# Altium PCB WS2812_MATRIX.PcbDoc (part 1 of 4)
Units mil, origin at the board's own origin, x right, y up, seen from the top; angles counter-clockwise.
Board outline 6515.75 x 1791.34 mil, 2 copper layers (Top Layer, Bottom Layer); 516 components, 260 nets, 1546 pads, 523 vias.
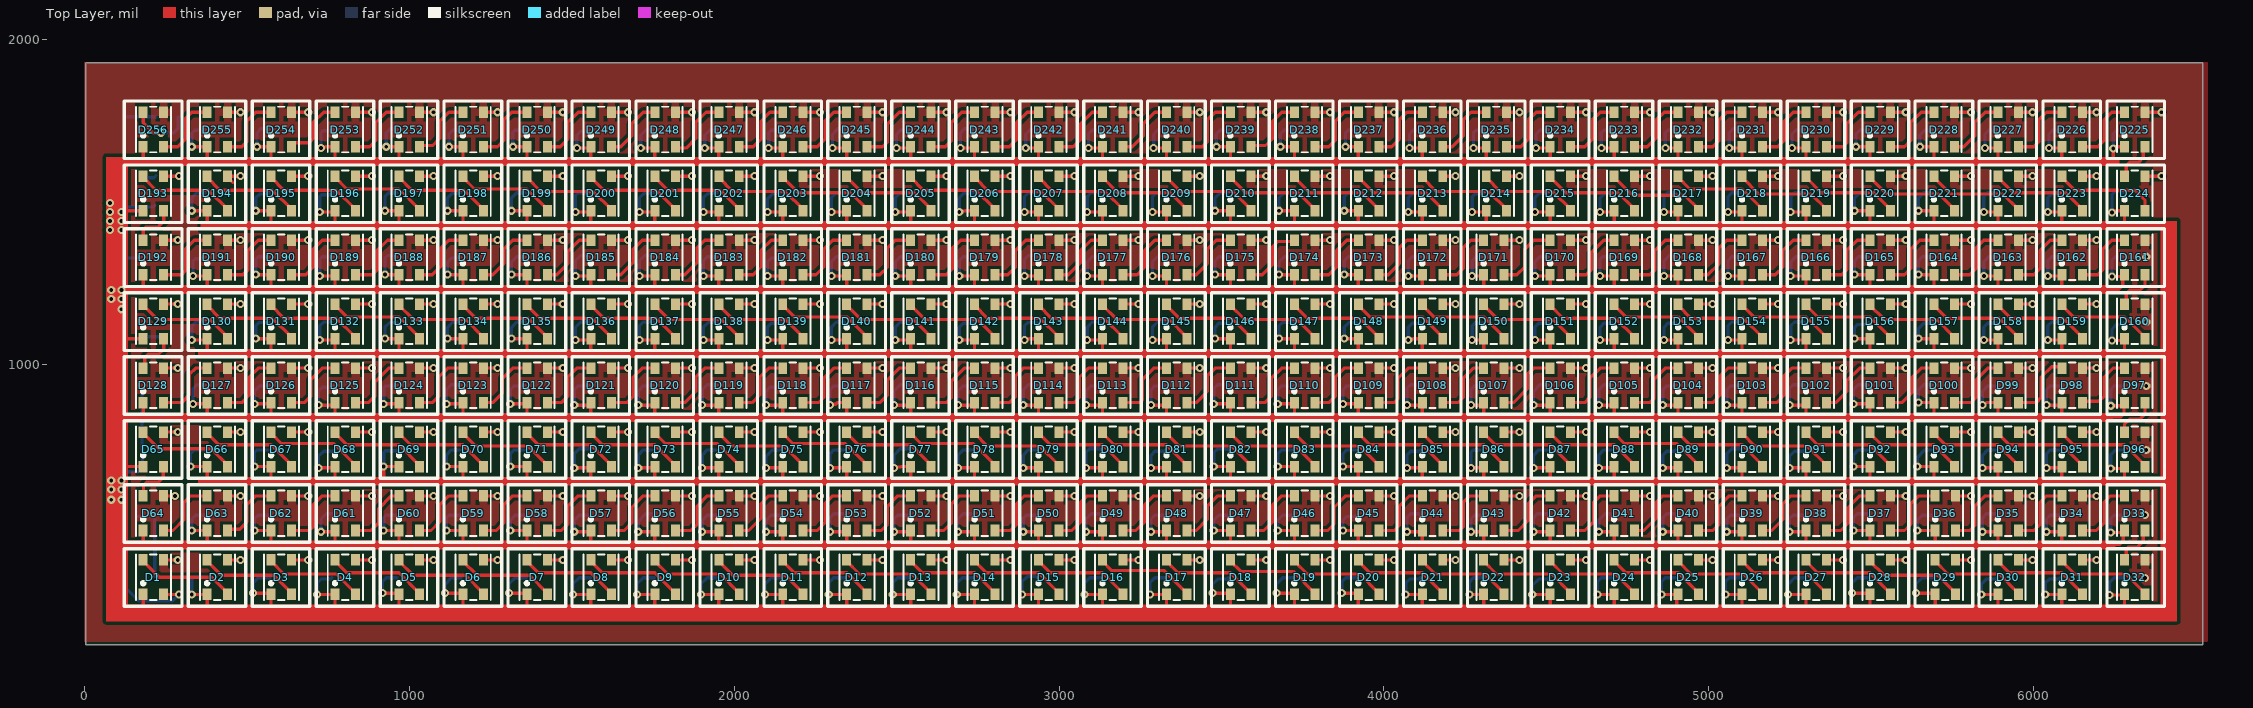
[diagram p0: Top Layer view]
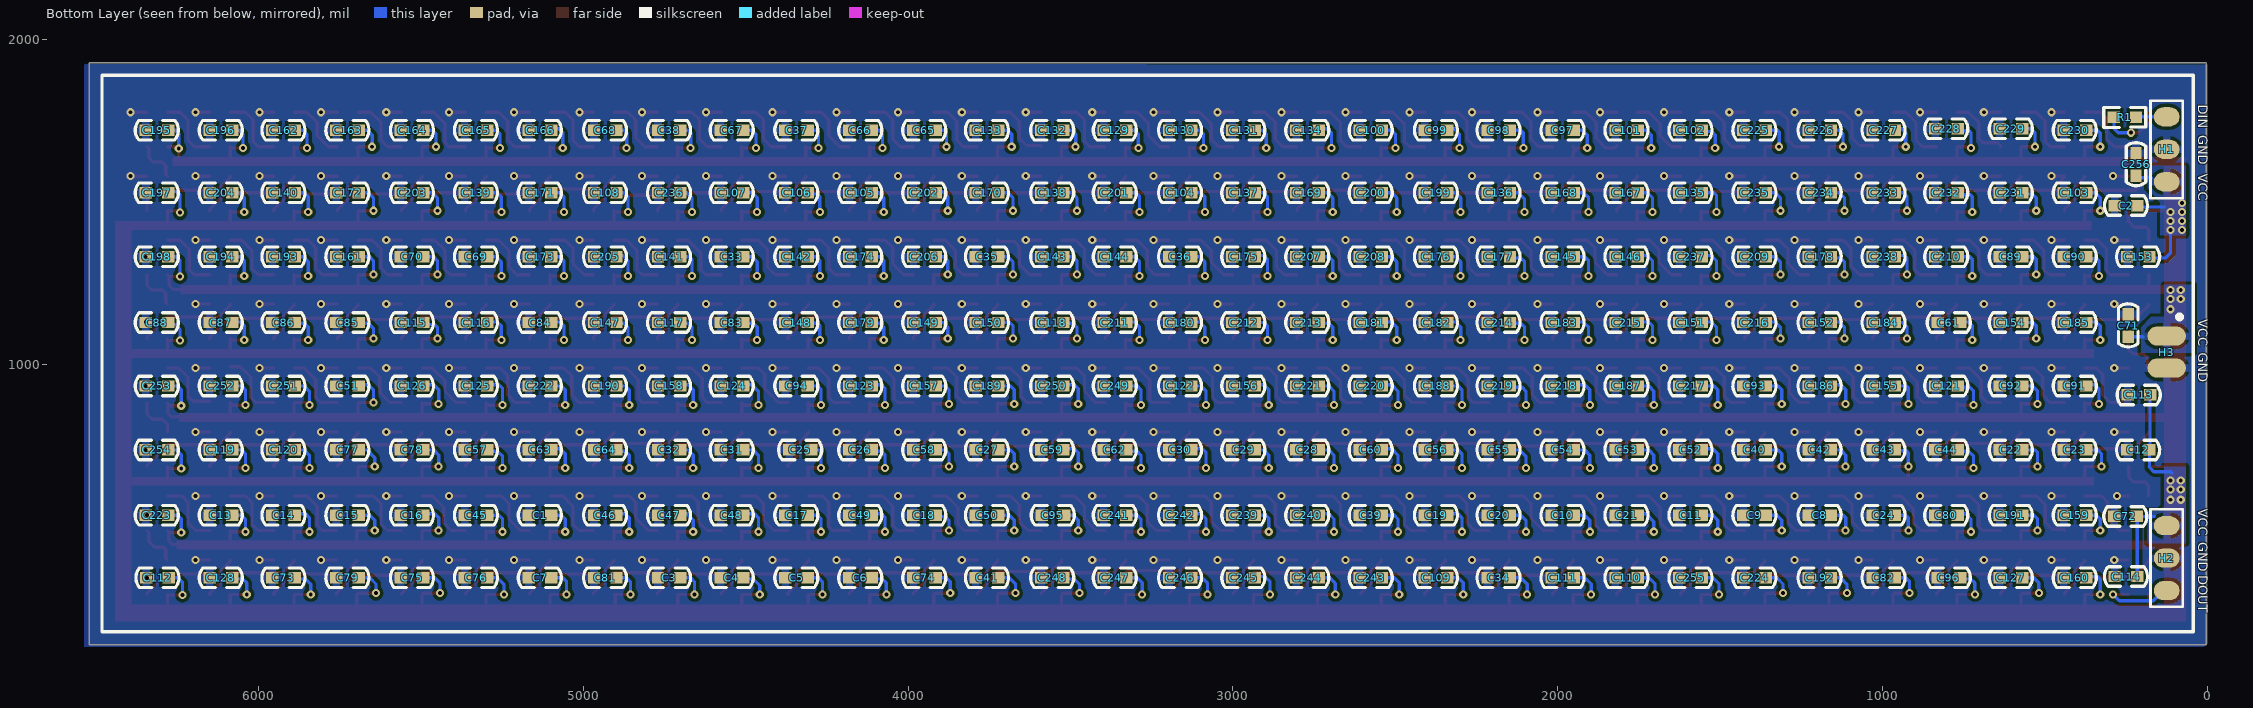
[diagram p1: Bottom Layer view, seen from below]
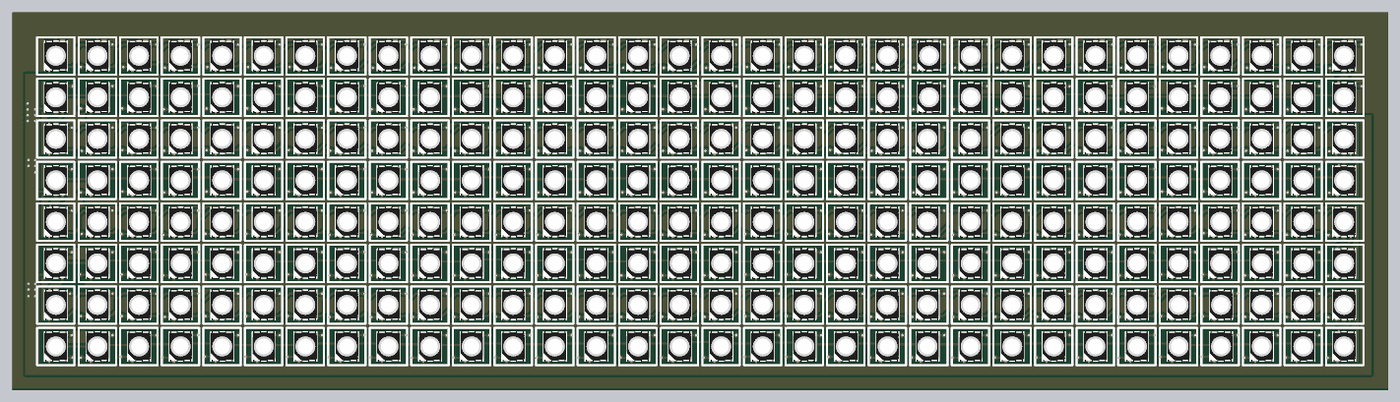
[diagram p5: 3D render of the assembled board from above, using the file's embedded part models]
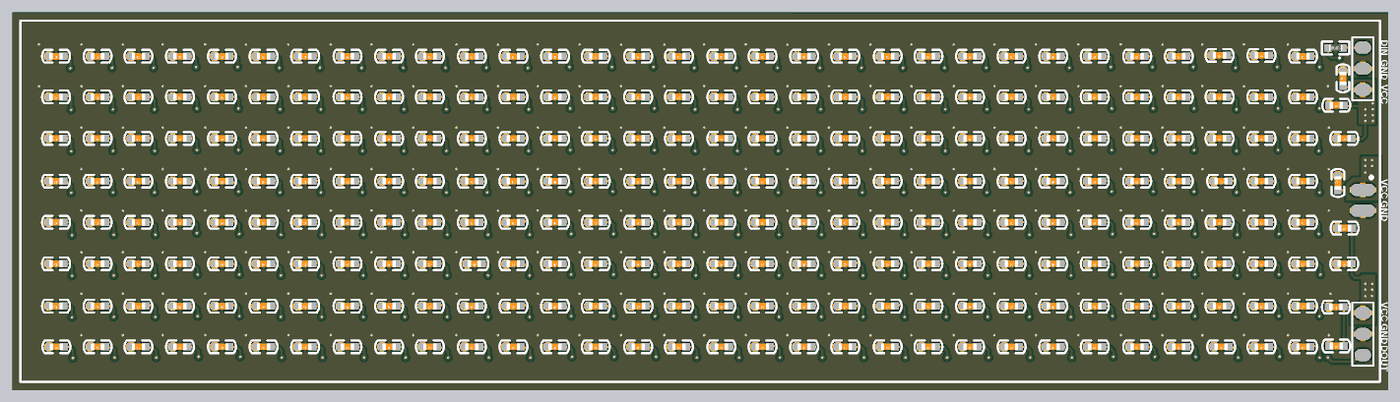
[diagram p6: 3D render of the assembled board from below, using the file's embedded part models]

## Layer stack, top to bottom
Top Solder: solder mask 0.4, Solder Resist, Dk 3.5
Top Layer: signal copper 1.4
Dielectric 1: dielectric 12.6, FR-4, Dk 4.8
Bottom Layer: signal copper 1.4
Bottom Solder: solder mask 0.4, Solder Resist, Dk 3.5

## Board outline
5,137.07 6520.75,137.07 6520.75,1928.41 5,1928.41

## Design rules (kind name [scope] priority, off if disabled: settings)
Clearance [All] p1: gap=10 ignorepadtopadclearanceinfootprint=FALSE except(0: Arc-Hole Track-Hole SMDPad-Hole THPad-Hole Via-Hole Fill-Hole Poly-Hole Region-Hole Text-Hole)
PolygonConnect [All] p1: thpad.connectstyle=Relief thpad.reliefconductorwidth=10 thpad.reliefentries=4 thpad.polygonreliefangle="90 Angle" thpad.airgapwidth=10 smdpad.connectstyle=Relief smdpad.reliefconductorwidth=25 smdpad.reliefentries=4 smdpad.polygonreliefangle="90 Angle" smdpad.airgapwidth=10 via.connectstyle=Direct via.reliefconductorwidth=10 via.reliefentries=4 via.polygonreliefangle="90 Angle" via.airgapwidth=10
RoutingVias [All] p1: holewidth=28 width=50 viastyle="Through Hole" minholewidth=28 minwidth=50 maxholewidth=28 maxwidth=50
SolderMaskExpansion [All] p1: expansion=4
Width [All] p1: maxlimit=50 minlimit=10 preferedwidth=10
30 further rules are at their usual default settings.

## Classes and differential pairs
component class WS2812_MATRIX_8: C225 C226 C227 C228 C229 C230 C231 C232 C233 C234 C235 C236 C237 C238 C239 C240 C241 C242 C243 C244 C245 C246 C247 C248 C249 C250 C251 C252 C253 C254 C255 C256 D225 D226 D227 D228 D229 D230 D231 D232 D233 D234 D235 D236 D237 D238 D239 D240 D241 D242 D243 D244 D245 D246 D247 D248 D249 D250 D251 D252 D253 D254 D255 D256 H1 H2 H3 R1
component class WS2812_MATRIX_7: C193 C194 C195 C196 C197 C198 C199 C200 C201 C202 C203 C204 C205 C206 C207 C208 C209 C210 C211 C212 C213 C214 C215 C216 C217 C218 C219 C220 C221 C222 C223 C224 D193 D194 D195 D196 D197 D198 D199 D200 D201 D202 D203 D204 D205 D206 D207 D208 D209 D210 D211 D212 D213 D214 D215 D216 D217 D218 D219 D220 D221 D222 D223 D224
component class WS2812_MATRIX_6: C161 C162 C163 C164 C165 C166 C167 C168 C169 C170 C171 C172 C173 C174 C175 C176 C177 C178 C179 C180 C181 C182 C183 C184 C185 C186 C187 C188 C189 C190 C191 C192 D161 D162 D163 D164 D165 D166 D167 D168 D169 D170 D171 D172 D173 D174 D175 D176 D177 D178 D179 D180 D181 D182 D183 D184 D185 D186 D187 D188 D189 D190 D191 D192
component class WS2812_MATRIX_5: C129 C130 C131 C132 C133 C134 C135 C136 C137 C138 C139 C140 C141 C142 C143 C144 C145 C146 C147 C148 C149 C150 C151 C152 C153 C154 C155 C156 C157 C158 C159 C160 D129 D130 D131 D132 D133 D134 D135 D136 D137 D138 D139 D140 D141 D142 D143 D144 D145 D146 D147 D148 D149 D150 D151 D152 D153 D154 D155 D156 D157 D158 D159 D160
component class WS2812_MATRIX_4: C97 C98 C99 C100 C101 C102 C103 C104 C105 C106 C107 C108 C109 C110 C111 C112 C113 C114 C115 C116 C117 C118 C119 C120 C121 C122 C123 C124 C125 C126 C127 C128 D97 D98 D99 D100 D101 D102 D103 D104 D105 D106 D107 D108 D109 D110 D111 D112 D113 D114 D115 D116 D117 D118 D119 D120 D121 D122 D123 D124 D125 D126 D127 D128
component class WS2812_MATRIX_3: C65 C66 C67 C68 C69 C70 C71 C72 C73 C74 C75 C76 C77 C78 C79 C80 C81 C82 C83 C84 C85 C86 C87 C88 C89 C90 C91 C92 C93 C94 C95 C96 D65 D66 D67 D68 D69 D70 D71 D72 D73 D74 D75 D76 D77 D78 D79 D80 D81 D82 D83 D84 D85 D86 D87 D88 D89 D90 D91 D92 D93 D94 D95 D96
component class WS2812_MATRIX_2: C33 C34 C35 C36 C37 C38 C39 C40 C41 C42 C43 C44 C45 C46 C47 C48 C49 C50 C51 C52 C53 C54 C55 C56 C57 C58 C59 C60 C61 C62 C63 C64 D33 D34 D35 D36 D37 D38 D39 D40 D41 D42 D43 D44 D45 D46 D47 D48 D49 D50 D51 D52 D53 D54 D55 D56 D57 D58 D59 D60 D61 D62 D63 D64
component class WS2812_MATRIX_1: C1 C2 C3 C4 C5 C6 C7 C8 C9 C10 C11 C12 C13 C14 C15 C16 C17 C18 C19 C20 C21 C22 C23 C24 C25 C26 C27 C28 C29 C30 C31 C32 D1 D2 D3 D4 D5 D6 D7 D8 D9 D10 D11 D12 D13 D14 D15 D16 D17 D18 D19 D20 D21 D22 D23 D24 D25 D26 D27 D28 D29 D30 D31 D32

## Components (designator, comment, footprint, x,y, rotation, side; value= is the part's Value field where it differs from the comment)
C1 "C?" C0603 5098.43,535.43 r0 bottom
C2 "C?" C0603 216.54,1488.19 r0 bottom
C3 "C?" C0603 4700.79,342.52 r0 bottom
C4 "C?" C0603 4507.87,342.52 r0 bottom
C5 "C?" C0603 4308.95,342.52 r0 bottom
C6 "C?" C0603 4112.1,342.52 r0 bottom
C7 "C?" C0603 5098.43,342.52 r0 bottom
C8 "C?" C0603 1159.35,535.43 r0 bottom
C9 "C?" C0603 1360.13,535.43 r0 bottom
C10 "C?" C0603 1950.68,535.43 r0 bottom
C11 "C?" C0603 1556.98,535.43 r0 bottom
C12 "C?" C0603 179.03,736.22 r0 bottom
C13 "C?" C0603 6080.61,535.43 r0 bottom
C14 "C?" C0603 5887.69,535.43 r0 bottom
C15 "C?" C0603 5690.84,535.43 r0 bottom
C16 "C?" C0603 5492.13,535.43 r0 bottom
C17 "C?" C0603 4308.95,535.43 r0 bottom
C18 "C?" C0603 3915.25,535.43 r0 bottom
C19 "C?" C0603 2340.45,535.43 r0 bottom
C20 "C?" C0603 2147.54,535.43 r0 bottom
C21 "C?" C0603 1753.83,535.43 r0 bottom
C22 "C?" C0603 570.87,736.22 r0 bottom
C23 "C?" C0603 374.02,736.22 r0 bottom
C24 "C?" C0603 962.5,535.43 r0 bottom
C25 "C?" C0603 4297.13,736.22 r0 bottom
C26 "C?" C0603 4112.1,736.22 r0 bottom
C27 "C?" C0603 3722.34,736.22 r0 bottom
C28 "C?" C0603 2736.22,736.22 r0 bottom
C29 "C?" C0603 2933.07,736.22 r0 bottom
C30 "C?" C0603 3127.85,736.22 r0 bottom
C31 "C?" C0603 4507.87,736.22 r0 bottom
C32 "C?" C0603 4700.79,736.22 r0 bottom
C33 "C?" C0603 4507.87,1330.71 r0 bottom
C34 "C?" C0603 2147.54,342.52 r0 bottom
C35 "C?" C0603 3722.34,1330.71 r0 bottom
C36 "C?" C0603 3127.85,1330.71 r0 bottom
C37 "C?" C0603 4308.95,1720.47 r0 bottom
C38 "C?" C0603 4700.79,1720.47 r0 bottom
C39 "C?" C0603 2541.24,535.43 r0 bottom
C40 "C?" C0603 1360.13,736.22 r0 bottom
C41 "C?" C0603 3722.34,342.52 r0 bottom
C42 "C?" C0603 1159.35,736.22 r0 bottom
C43 "C?" C0603 962.5,736.22 r0 bottom
C44 "C?" C0603 769.58,736.22 r0 bottom
C45 "C?" C0603 5295.28,535.43 r0 bottom
C46 "C?" C0603 4897.64,535.43 r0 bottom
C47 "C?" C0603 4700.79,535.43 r0 bottom
C48 "C?" C0603 4507.87,535.43 r0 bottom
C49 "C?" C0603 4112.1,535.43 r0 bottom
C50 "C?" C0603 3722.34,535.43 r0 bottom
C51 "C?" C0603 5690.84,933.07 r0 bottom
C52 "C?" C0603 1556.98,736.22 r0 bottom
C53 "C?" C0603 1753.83,736.22 r0 bottom
C54 "C?" C0603 1950.68,736.22 r0 bottom
C55 "C?" C0603 2147.54,736.22 r0 bottom
C56 "C?" C0603 2340.45,736.22 r0 bottom
C57 "C?" C0603 5295.28,736.22 r0 bottom
C58 "C?" C0603 3915.25,736.22 r0 bottom
C59 "C?" C0603 3521.55,736.22 r0 bottom
C60 "C?" C0603 2541.24,736.22 r0 bottom
C61 "C?" C0603 761.71,1128.23 r0 bottom
C62 "C?" C0603 3328.64,736.22 r0 bottom
C63 "C?" C0603 5098.43,736.22 r0 bottom
C64 "C?" C0603 4897.64,736.22 r0 bottom
C65 "C?" C0603 3915.25,1720.47 r0 bottom
C66 "C?" C0603 4112.1,1720.47 r0 bottom
C67 "C?" C0603 4507.87,1720.47 r0 bottom
C68 "C?" C0603 4897.64,1720.47 r0 bottom
C69 "C?" C0603 5295.28,1330.71 r0 bottom
C70 "C?" C0603 5492.13,1330.71 r0 bottom
C71 "C?" C0603 244.09,1084.54 r90 bottom
C72 "C?" C0603 218.4,531.5 r0 bottom
C73 "C?" C0603 5887.69,342.52 r0 bottom
C74 "C?" C0603 3915.25,342.52 r0 bottom
C75 "C?" C0603 5492.13,342.52 r0 bottom
C76 "C?" C0603 5295.28,342.52 r0 bottom
C77 "C?" C0603 5690.84,736.22 r0 bottom
C78 "C?" C0603 5492.13,736.22 r0 bottom
C79 "C?" C0603 5690.84,342.52 r0 bottom
C80 "C?" C0603 769.58,535.43 r0 bottom
C81 "C?" C0603 4897.64,342.52 r0 bottom
C82 "C?" C0603 962.5,342.52 r0 bottom
C83 "C?" C0603 4507.87,1128.23 r0 bottom
C84 "C?" C0603 5098.42,1128.23 r0 bottom
C85 "C?" C0603 5690.84,1128.23 r0 bottom
C86 "C?" C0603 5887.69,1128.23 r0 bottom
C87 "C?" C0603 6080.61,1128.23 r0 bottom
C88 "C?" C0603 6277.46,1128.23 r0 bottom
C89 "C?" C0603 570.87,1330.71 r0 bottom
C90 "C?" C0603 374.02,1330.71 r0 bottom
C91 "C?" C0603 374.02,933.07 r0 bottom
C92 "C?" C0603 570.87,933.07 r0 bottom
C93 "C?" C0603 1360.13,933.07 r0 bottom
C94 "C?" C0603 4308.95,933.07 r0 bottom
C95 "C?" C0603 3519.68,535.43 r0 bottom
C96 "C?" C0603 761.71,342.52 r0 bottom
C97 "C?" C0603 1950.68,1720.47 r0 bottom
C98 "C?" C0603 2147.54,1720.47 r0 bottom
C99 "C?" C0603 2340.45,1720.47 r0 bottom
C100 "C?" C0603 2541.24,1720.47 r0 bottom
C101 "C?" C0603 1753.83,1720.47 r0 bottom
C102 "C?" C0603 1556.98,1720.47 r0 bottom
C103 "C?" C0603 374.02,1527.56 r0 bottom
C104 "C?" C0603 3127.85,1527.56 r0 bottom
C105 "C?" C0603 4112.1,1527.56 r0 bottom
C106 "C?" C0603 4308.95,1527.56 r0 bottom
C107 "C?" C0603 4507.87,1527.56 r0 bottom
C108 "C?" C0603 4897.64,1527.56 r0 bottom
C109 "C?" C0603 2340.45,342.52 r0 bottom
C110 "C?" C0603 1753.83,342.52 r0 bottom
C111 "C?" C0603 1950.68,342.52 r0 bottom
C112 "C?" C0603 6275.59,342.52 r0 bottom
C113 "C?" C0603 177.17,905.51 r0 bottom
C114 "C?" C0603 216.54,346.46 r0 bottom
C115 "C?" C0603 5492.13,1128.23 r0 bottom
C116 "C?" C0603 5295.28,1128.23 r0 bottom
C117 "C?" C0603 4700.79,1128.23 r0 bottom
C118 "C?" C0603 3521.55,1128.23 r0 bottom
C119 "C?" C0603 6080.61,736.22 r0 bottom
C120 "C?" C0603 5887.69,736.22 r0 bottom
C121 "C?" C0603 769.58,933.07 r0 bottom
C122 "C?" C0603 3127.85,933.07 r0 bottom
C123 "C?" C0603 4112.1,933.07 r0 bottom
C124 "C?" C0603 4507.87,933.07 r0 bottom
C125 "C?" C0603 5295.28,933.07 r0 bottom
C126 "C?" C0603 5492.13,933.07 r0 bottom
C127 "C?" C0603 570.87,342.52 r0 bottom
C128 "C?" C0603 6080.61,342.52 r0 bottom
C129 "C?" C0603 3328.64,1720.47 r0 bottom
C130 "C?" C0603 3127.85,1720.47 r0 bottom
C131 "C?" C0603 2933.07,1720.47 r0 bottom
C132 "C?" C0603 3521.55,1720.47 r0 bottom
C133 "C?" C0603 3722.34,1720.47 r0 bottom
C134 "C?" C0603 2736.22,1720.47 r0 bottom
C135 "C?" C0603 1556.98,1527.56 r0 bottom
C136 "C?" C0603 2147.54,1527.56 r0 bottom
C137 "C?" C0603 2933.07,1527.56 r0 bottom
C138 "C?" C0603 3521.55,1527.56 r0 bottom
C139 "C?" C0603 5295.28,1527.56 r0 bottom
C140 "C?" C0603 5887.69,1527.56 r0 bottom
C141 "C?" C0603 4700.79,1330.71 r0 bottom
C142 "C?" C0603 4308.95,1330.71 r0 bottom
C143 "C?" C0603 3521.55,1330.71 r0 bottom
C144 "C?" C0603 3328.64,1330.71 r0 bottom
C145 "C?" C0603 1950.68,1330.71 r0 bottom
C146 "C?" C0603 1753.83,1330.71 r0 bottom
C147 "C?" C0603 4897.64,1128.23 r0 bottom
C148 "C?" C0603 4308.95,1128.23 r0 bottom
C149 "C?" C0603 3915.25,1128.23 r0 bottom
C150 "C?" C0603 3722.34,1128.23 r0 bottom
C151 "C?" C0603 1556.98,1128.23 r0 bottom
C152 "C?" C0603 1159.35,1128.23 r0 bottom
C153 "C?" C0603 179.03,1330.71 r0 bottom
C154 "C?" C0603 570.87,1128.23 r0 bottom
C155 "C?" C0603 962.5,933.07 r0 bottom
C156 "C?" C0603 2933.07,933.07 r0 bottom
C157 "C?" C0603 3915.25,933.07 r0 bottom
C158 "C?" C0603 4700.79,933.07 r0 bottom
C159 "C?" C0603 374.02,535.43 r0 bottom
C160 "C?" C0603 374.02,342.52 r0 bottom
C161 "C?" C0603 5690.84,1330.71 r0 bottom
C162 "C?" C0603 5887.69,1720.47 r0 bottom
C163 "C?" C0603 5690.84,1720.47 r0 bottom
C164 "C?" C0603 5492.13,1720.47 r0 bottom
C165 "C?" C0603 5295.28,1720.47 r0 bottom
C166 "C?" C0603 5098.43,1720.47 r0 bottom
C167 "C?" C0603 1753.83,1527.56 r0 bottom
C168 "C?" C0603 1950.68,1527.56 r0 bottom
C169 "C?" C0603 2736.22,1527.56 r0 bottom
C170 "C?" C0603 3722.34,1527.56 r0 bottom
C171 "C?" C0603 5098.43,1527.56 r0 bottom
C172 "C?" C0603 5690.84,1527.56 r0 bottom
C173 "C?" C0603 5098.42,1330.71 r0 bottom
C174 "C?" C0603 4112.1,1330.71 r0 bottom
C175 "C?" C0603 2933.07,1330.71 r0 bottom
C176 "C?" C0603 2340.45,1330.71 r0 bottom
C177 "C?" C0603 2147.54,1330.71 r0 bottom
C178 "C?" C0603 1159.35,1330.71 r0 bottom
C179 "C?" C0603 4112.1,1128.23 r0 bottom
C180 "C?" C0603 3127.85,1128.23 r0 bottom
C181 "C?" C0603 2541.24,1128.23 r0 bottom
C182 "C?" C0603 2340.45,1128.23 r0 bottom
C183 "C?" C0603 1950.68,1128.23 r0 bottom
C184 "C?" C0603 962.5,1128.23 r0 bottom
C185 "C?" C0603 374.02,1128.23 r0 bottom
C186 "C?" C0603 1159.35,933.07 r0 bottom
C187 "C?" C0603 1753.83,933.07 r0 bottom
C188 "C?" C0603 2340.45,933.07 r0 bottom
C189 "C?" C0603 3722.34,933.07 r0 bottom
C190 "C?" C0603 4897.64,933.07 r0 bottom
C191 "C?" C0603 570.87,535.43 r0 bottom
C192 "C?" C0603 1159.35,342.52 r0 bottom
C193 "C?" C0603 5887.69,1330.71 r0 bottom
C194 "C?" C0603 6080.61,1330.71 r0 bottom
C195 "C?" C0603 6277.46,1720.47 r0 bottom
C196 "C?" C0603 6080.61,1720.47 r0 bottom
C197 "C?" C0603 6277.46,1527.56 r0 bottom
C198 "C?" C0603 6277.46,1330.71 r0 bottom
C199 "C?" C0603 2340.45,1527.56 r0 bottom
C200 "C?" C0603 2541.24,1527.56 r0 bottom
C201 "C?" C0603 3328.64,1527.56 r0 bottom
C202 "C?" C0603 3915.25,1527.56 r0 bottom
C203 "C?" C0603 5492.13,1527.56 r0 bottom
C204 "C?" C0603 6080.61,1527.56 r0 bottom
C205 "C?" C0603 4897.64,1330.71 r0 bottom
C206 "C?" C0603 3915.25,1330.71 r0 bottom
C207 "C?" C0603 2736.22,1330.71 r0 bottom
C208 "C?" C0603 2541.24,1330.71 r0 bottom
C209 "C?" C0603 1360.13,1330.71 r0 bottom
C210 "C?" C0603 769.58,1330.71 r0 bottom
C211 "C?" C0603 3328.64,1128.23 r0 bottom
C212 "C?" C0603 2933.07,1128.23 r0 bottom
C213 "C?" C0603 2736.22,1128.23 r0 bottom
C214 "C?" C0603 2147.54,1128.23 r0 bottom
C215 "C?" C0603 1753.83,1128.23 r0 bottom
C216 "C?" C0603 1360.13,1128.23 r0 bottom
C217 "C?" C0603 1556.98,933.07 r0 bottom
C218 "C?" C0603 1950.68,933.07 r0 bottom
C219 "C?" C0603 2147.54,933.07 r0 bottom
C220 "C?" C0603 2541.24,933.07 r0 bottom
C221 "C?" C0603 2736.22,933.07 r0 bottom
C222 "C?" C0603 5098.42,933.07 r0 bottom
C223 "C?" C0603 6277.46,535.43 r0 bottom
C224 "C?" C0603 1360.13,342.52 r0 bottom
C225 "C?" C0603 1360.13,1720.47 r0 bottom
C226 "C?" C0603 1159.35,1720.47 r0 bottom
C227 "C?" C0603 962.5,1720.47 r0 bottom
C228 "C?" C0603 769.58,1724.41 r0 bottom
C229 "C?" C0603 570.87,1724.41 r0 bottom
C230 "C?" C0603 374.02,1720.47 r0 bottom
C231 "C?" C0603 570.87,1527.56 r0 bottom
C232 "C?" C0603 769.58,1527.56 r0 bottom
C233 "C?" C0603 962.5,1527.56 r0 bottom
C234 "C?" C0603 1159.35,1527.56 r0 bottom
C235 "C?" C0603 1360.13,1527.56 r0 bottom
C236 "C?" C0603 4700.79,1527.56 r0 bottom
C237 "C?" C0603 1556.98,1330.71 r0 bottom
C238 "C?" C0603 962.5,1330.71 r0 bottom
C239 "C?" C0603 2933.07,535.43 r0 bottom
C240 "C?" C0603 2736.22,535.43 r0 bottom
C241 "C?" C0603 3328.64,535.43 r0 bottom
C242 "C?" C0603 3127.85,535.43 r0 bottom
C243 "C?" C0603 2541.24,342.52 r0 bottom
C244 "C?" C0603 2736.22,342.52 r0 bottom
C245 "C?" C0603 2933.07,342.52 r0 bottom
C246 "C?" C0603 3127.85,342.52 r0 bottom
C247 "C?" C0603 3328.64,342.52 r0 bottom
C248 "C?" C0603 3521.55,342.52 r0 bottom
C249 "C?" C0603 3328.64,933.07 r0 bottom
C250 "C?" C0603 3521.55,933.07 r0 bottom
C251 "C?" C0603 5887.69,933.07 r0 bottom
C252 "C?" C0603 6080.61,933.07 r0 bottom
C253 "C?" C0603 6277.46,933.07 r0 bottom
C254 "C?" C0603 6277.46,736.22 r0 bottom
C255 "C?" C0603 1556.98,342.52 r0 bottom
C256 "C?" C0603 220.47,1580.61 r90 bottom
D1 "WS2812" WS2812_3528 155.24,268.94 r90 top
D2 "WS2812" WS2812_3528 352.09,268.94 r90 top
D3 "WS2812" WS2812_3528 548.94,268.94 r90 top
D4 "WS2812" WS2812_3528 745.79,268.94 r90 top
D5 "WS2812" WS2812_3528 942.64,268.94 r90 top
D6 "WS2812" WS2812_3528 1139.49,268.94 r90 top
D7 "WS2812" WS2812_3528 1336.34,268.94 r90 top
D8 "WS2812" WS2812_3528 1533.19,268.94 r90 top
D9 "WS2812" WS2812_3528 1730.04,268.94 r90 top
D10 "WS2812" WS2812_3528 1926.89,268.94 r90 top
D11 "WS2812" WS2812_3528 2123.74,268.94 r90 top
D12 "WS2812" WS2812_3528 2320.59,268.94 r90 top
D13 "WS2812" WS2812_3528 2517.44,268.94 r90 top
D14 "WS2812" WS2812_3528 2714.29,268.94 r90 top
D15 "WS2812" WS2812_3528 2911.14,268.94 r90 top
D16 "WS2812" WS2812_3528 3107.99,268.94 r90 top
D17 "WS2812" WS2812_3528 3304.84,268.94 r90 top
D18 "WS2812" WS2812_3528 3501.69,268.94 r90 top
D19 "WS2812" WS2812_3528 3698.54,268.94 r90 top
D20 "WS2812" WS2812_3528 3895.39,268.94 r90 top
D21 "WS2812" WS2812_3528 4092.24,268.94 r90 top
D22 "WS2812" WS2812_3528 4281.22,268.94 r90 top
D23 "WS2812" WS2812_3528 4485.94,268.94 r90 top
D24 "WS2812" WS2812_3528 4682.8,268.94 r90 top
D25 "WS2812" WS2812_3528 4879.65,268.94 r90 top
D26 "WS2812" WS2812_3528 5076.5,268.94 r90 top
D27 "WS2812" WS2812_3528 5273.35,268.94 r90 top
D28 "WS2812" WS2812_3528 5470.2,268.94 r90 top
D29 "WS2812" WS2812_3528 5670.98,268.94 r90 top
D30 "WS2812" WS2812_3528 5863.89,268.94 r90 top
D31 "WS2812" WS2812_3528 6060.74,268.94 r90 top
D32 "WS2812" WS2812_3528 6253.66,268.94 r90 top
D33 "WS2812" WS2812_3528 6253.66,465.79 r90 top
D34 "WS2812" WS2812_3528 6060.74,465.79 r90 top
D35 "WS2812" WS2812_3528 5863.89,465.79 r90 top
D36 "WS2812" WS2812_3528 5670.98,465.79 r90 top
D37 "WS2812" WS2812_3528 5470.2,465.79 r90 top
D38 "WS2812" WS2812_3528 5273.35,465.79 r90 top
D39 "WS2812" WS2812_3528 5076.5,465.79 r90 top
D40 "WS2812" WS2812_3528 4879.65,465.79 r90 top
D41 "WS2812" WS2812_3528 4682.8,465.79 r90 top
D42 "WS2812" WS2812_3528 4485.94,465.79 r90 top
D43 "WS2812" WS2812_3528 4281.22,465.79 r90 top
D44 "WS2812" WS2812_3528 4092.24,465.79 r90 top
D45 "WS2812" WS2812_3528 3895.39,465.79 r90 top
D46 "WS2812" WS2812_3528 3698.54,465.79 r90 top
D47 "WS2812" WS2812_3528 3501.69,465.79 r90 top
D48 "WS2812" WS2812_3528 3304.84,465.79 r90 top
D49 "WS2812" WS2812_3528 3107.99,465.79 r90 top
D50 "WS2812" WS2812_3528 2911.14,465.79 r90 top
D51 "WS2812" WS2812_3528 2714.29,465.79 r90 top
D52 "WS2812" WS2812_3528 2517.44,465.79 r90 top
D53 "WS2812" WS2812_3528 2320.59,465.79 r90 top
D54 "WS2812" WS2812_3528 2123.74,465.79 r90 top
D55 "WS2812" WS2812_3528 1926.89,465.79 r90 top
D56 "WS2812" WS2812_3528 1730.04,465.79 r90 top
D57 "WS2812" WS2812_3528 1533.19,465.79 r90 top
D58 "WS2812" WS2812_3528 1336.34,465.79 r90 top
D59 "WS2812" WS2812_3528 1139.49,465.79 r90 top
D60 "WS2812" WS2812_3528 942.64,465.79 r90 top
D61 "WS2812" WS2812_3528 745.79,465.79 r90 top
D62 "WS2812" WS2812_3528 548.94,465.79 r90 top
D63 "WS2812" WS2812_3528 352.09,465.79 r90 top
D64 "WS2812" WS2812_3528 155.24,465.79 r90 top
D65 "WS2812" WS2812_3528 155.24,662.64 r90 top
D66 "WS2812" WS2812_3528 352.09,662.64 r90 top
D67 "WS2812" WS2812_3528 548.94,662.64 r90 top
D68 "WS2812" WS2812_3528 745.79,662.64 r90 top
D69 "WS2812" WS2812_3528 942.64,662.64 r90 top
D70 "WS2812" WS2812_3528 1139.49,662.64 r90 top
D71 "WS2812" WS2812_3528 1336.34,662.64 r90 top
D72 "WS2812" WS2812_3528 1533.19,662.64 r90 top
D73 "WS2812" WS2812_3528 1730.04,662.64 r90 top
D74 "WS2812" WS2812_3528 1926.89,662.64 r90 top
D75 "WS2812" WS2812_3528 2123.74,662.64 r90 top
D76 "WS2812" WS2812_3528 2320.59,662.64 r90 top
D77 "WS2812" WS2812_3528 2517.44,662.64 r90 top
D78 "WS2812" WS2812_3528 2714.29,662.64 r90 top
D79 "WS2812" WS2812_3528 2911.14,662.64 r90 top
D80 "WS2812" WS2812_3528 3107.99,662.64 r90 top
D81 "WS2812" WS2812_3528 3304.84,662.64 r90 top
D82 "WS2812" WS2812_3528 3501.69,662.64 r90 top
D83 "WS2812" WS2812_3528 3698.54,662.64 r90 top
D84 "WS2812" WS2812_3528 3895.39,662.64 r90 top
D85 "WS2812" WS2812_3528 4092.24,662.64 r90 top
D86 "WS2812" WS2812_3528 4281.22,662.64 r90 top
D87 "WS2812" WS2812_3528 4485.94,662.64 r90 top
D88 "WS2812" WS2812_3528 4682.79,662.64 r90 top
D89 "WS2812" WS2812_3528 4879.65,662.64 r90 top
D90 "WS2812" WS2812_3528 5076.5,662.64 r90 top
D91 "WS2812" WS2812_3528 5273.35,662.64 r90 top
D92 "WS2812" WS2812_3528 5470.2,662.64 r90 top
D93 "WS2812" WS2812_3528 5667.05,662.64 r90 top
D94 "WS2812" WS2812_3528 5863.89,662.64 r90 top
D95 "WS2812" WS2812_3528 6060.74,662.64 r90 top
D96 "WS2812" WS2812_3528 6253.66,662.64 r90 top
D97 "WS2812" WS2812_3528 6253.66,859.49 r90 top
D98 "WS2812" WS2812_3528 6060.74,859.49 r90 top
D99 "WS2812" WS2812_3528 5863.89,859.49 r90 top
D100 "WS2812" WS2812_3528 5667.05,859.49 r90 top
D101 "WS2812" WS2812_3528 5470.2,859.49 r90 top
D102 "WS2812" WS2812_3528 5273.35,859.49 r90 top
D103 "WS2812" WS2812_3528 5076.5,859.49 r90 top
D104 "WS2812" WS2812_3528 4879.65,859.49 r90 top
D105 "WS2812" WS2812_3528 4682.79,859.49 r90 top
D106 "WS2812" WS2812_3528 4485.94,859.49 r90 top
D107 "WS2812" WS2812_3528 4281.22,859.49 r90 top
D108 "WS2812" WS2812_3528 4092.24,859.49 r90 top
D109 "WS2812" WS2812_3528 3895.39,859.49 r90 top
D110 "WS2812" WS2812_3528 3698.54,859.49 r90 top
D111 "WS2812" WS2812_3528 3501.69,859.49 r90 top
D112 "WS2812" WS2812_3528 3304.84,859.49 r90 top
D113 "WS2812" WS2812_3528 3107.99,859.49 r90 top
D114 "WS2812" WS2812_3528 2911.14,859.49 r90 top
D115 "WS2812" WS2812_3528 2714.29,859.49 r90 top
D116 "WS2812" WS2812_3528 2517.44,859.49 r90 top
D117 "WS2812" WS2812_3528 2320.59,859.49 r90 top
D118 "WS2812" WS2812_3528 2123.74,859.49 r90 top
D119 "WS2812" WS2812_3528 1926.89,859.49 r90 top
D120 "WS2812" WS2812_3528 1730.04,859.49 r90 top
D121 "WS2812" WS2812_3528 1533.19,859.49 r90 top
D122 "WS2812" WS2812_3528 1336.34,859.49 r90 top
D123 "WS2812" WS2812_3528 1139.49,859.49 r90 top
D124 "WS2812" WS2812_3528 942.64,859.49 r90 top
D125 "WS2812" WS2812_3528 745.79,859.49 r90 top
D126 "WS2812" WS2812_3528 548.94,859.49 r90 top
D127 "WS2812" WS2812_3528 352.09,859.49 r90 top
D128 "WS2812" WS2812_3528 155.24,859.49 r90 top
D129 "WS2812" WS2812_3528 155.24,1056.34 r90 top
D130 "WS2812" WS2812_3528 352.09,1056.34 r90 top
D131 "WS2812" WS2812_3528 548.94,1056.34 r90 top
D132 "WS2812" WS2812_3528 745.79,1056.34 r90 top
D133 "WS2812" WS2812_3528 942.64,1056.34 r90 top
D134 "WS2812" WS2812_3528 1139.49,1056.34 r90 top
D135 "WS2812" WS2812_3528 1336.34,1056.34 r90 top
D136 "WS2812" WS2812_3528 1533.19,1056.34 r90 top
D137 "WS2812" WS2812_3528 1730.04,1056.34 r90 top
D138 "WS2812" WS2812_3528 1926.89,1056.34 r90 top
D139 "WS2812" WS2812_3528 2123.74,1056.34 r90 top
D140 "WS2812" WS2812_3528 2320.59,1056.34 r90 top
D141 "WS2812" WS2812_3528 2517.44,1056.34 r90 top
D142 "WS2812" WS2812_3528 2714.29,1056.34 r90 top
D143 "WS2812" WS2812_3528 2911.14,1056.34 r90 top
D144 "WS2812" WS2812_3528 3107.99,1056.34 r90 top
D145 "WS2812" WS2812_3528 3304.84,1056.34 r90 top
D146 "WS2812" WS2812_3528 3501.69,1056.34 r90 top
D147 "WS2812" WS2812_3528 3698.54,1056.34 r90 top
D148 "WS2812" WS2812_3528 3895.39,1056.34 r90 top
D149 "WS2812" WS2812_3528 4092.24,1056.34 r90 top
D150 "WS2812" WS2812_3528 4281.22,1056.34 r90 top
D151 "WS2812" WS2812_3528 4485.94,1056.34 r90 top
D152 "WS2812" WS2812_3528 4682.79,1056.34 r90 top
D153 "WS2812" WS2812_3528 4879.65,1056.34 r90 top
D154 "WS2812" WS2812_3528 5076.5,1056.34 r90 top
D155 "WS2812" WS2812_3528 5273.35,1056.34 r90 top
D156 "WS2812" WS2812_3528 5470.2,1056.34 r90 top
D157 "WS2812" WS2812_3528 5667.05,1056.34 r90 top
D158 "WS2812" WS2812_3528 5863.89,1056.34 r90 top
D159 "WS2812" WS2812_3528 6060.74,1056.34 r90 top
D160 "WS2812" WS2812_3528 6253.66,1056.34 r90 top
D161 "WS2812" WS2812_3528 6253.66,1253.19 r90 top
D162 "WS2812" WS2812_3528 6060.74,1253.19 r90 top
D163 "WS2812" WS2812_3528 5863.89,1253.19 r90 top
D164 "WS2812" WS2812_3528 5667.05,1253.19 r90 top
D165 "WS2812" WS2812_3528 5470.2,1253.19 r90 top
D166 "WS2812" WS2812_3528 5273.35,1253.19 r90 top
D167 "WS2812" WS2812_3528 5076.5,1253.19 r90 top
D168 "WS2812" WS2812_3528 4879.65,1253.19 r90 top
D169 "WS2812" WS2812_3528 4682.79,1253.19 r90 top
D170 "WS2812" WS2812_3528 4485.94,1253.19 r90 top
D171 "WS2812" WS2812_3528 4281.22,1253.19 r90 top
D172 "WS2812" WS2812_3528 4092.24,1253.19 r90 top
D173 "WS2812" WS2812_3528 3895.39,1253.19 r90 top
D174 "WS2812" WS2812_3528 3698.54,1253.19 r90 top
D175 "WS2812" WS2812_3528 3501.69,1253.19 r90 top
D176 "WS2812" WS2812_3528 3304.84,1253.19 r90 top
D177 "WS2812" WS2812_3528 3107.99,1253.19 r90 top
D178 "WS2812" WS2812_3528 2911.14,1253.19 r90 top
D179 "WS2812" WS2812_3528 2714.29,1253.19 r90 top
D180 "WS2812" WS2812_3528 2517.44,1253.19 r90 top
D181 "WS2812" WS2812_3528 2320.59,1253.19 r90 top
D182 "WS2812" WS2812_3528 2123.74,1253.19 r90 top
D183 "WS2812" WS2812_3528 1926.89,1253.19 r90 top
D184 "WS2812" WS2812_3528 1730.04,1253.19 r90 top
D185 "WS2812" WS2812_3528 1533.19,1253.19 r90 top
D186 "WS2812" WS2812_3528 1336.34,1253.19 r90 top
D187 "WS2812" WS2812_3528 1139.49,1253.19 r90 top
D188 "WS2812" WS2812_3528 942.64,1253.19 r90 top
D189 "WS2812" WS2812_3528 745.79,1253.19 r90 top
D190 "WS2812" WS2812_3528 548.94,1253.19 r90 top
D191 "WS2812" WS2812_3528 352.09,1253.19 r90 top
D192 "WS2812" WS2812_3528 155.24,1253.19 r90 top
D193 "WS2812" WS2812_3528 155.24,1450.04 r90 top
D194 "WS2812" WS2812_3528 352.09,1450.04 r90 top
D195 "WS2812" WS2812_3528 548.94,1450.04 r90 top
D196 "WS2812" WS2812_3528 745.79,1450.04 r90 top
D197 "WS2812" WS2812_3528 942.64,1450.04 r90 top
D198 "WS2812" WS2812_3528 1139.49,1450.04 r90 top
D199 "WS2812" WS2812_3528 1336.34,1450.04 r90 top
D200 "WS2812" WS2812_3528 1533.19,1450.04 r90 top
D201 "WS2812" WS2812_3528 1730.04,1450.04 r90 top
D202 "WS2812" WS2812_3528 1926.89,1450.04 r90 top
D203 "WS2812" WS2812_3528 2123.74,1450.04 r90 top
D204 "WS2812" WS2812_3528 2320.59,1450.04 r90 top
D205 "WS2812" WS2812_3528 2517.44,1450.04 r90 top
D206 "WS2812" WS2812_3528 2714.29,1450.04 r90 top
D207 "WS2812" WS2812_3528 2911.14,1450.04 r90 top
D208 "WS2812" WS2812_3528 3107.99,1450.04 r90 top
D209 "WS2812" WS2812_3528 3304.84,1450.04 r90 top
D210 "WS2812" WS2812_3528 3501.69,1450.04 r90 top
D211 "WS2812" WS2812_3528 3698.54,1450.04 r90 top
D212 "WS2812" WS2812_3528 3895.39,1450.04 r90 top
D213 "WS2812" WS2812_3528 4092.24,1450.04 r90 top
D214 "WS2812" WS2812_3528 4289.09,1450.04 r90 top
D215 "WS2812" WS2812_3528 4485.94,1450.04 r90 top
D216 "WS2812" WS2812_3528 4682.79,1450.04 r90 top
D217 "WS2812" WS2812_3528 4879.64,1450.04 r90 top
D218 "WS2812" WS2812_3528 5076.5,1450.04 r90 top
D219 "WS2812" WS2812_3528 5273.34,1450.04 r90 top
D220 "WS2812" WS2812_3528 5470.2,1450.04 r90 top
D221 "WS2812" WS2812_3528 5667.05,1450.04 r90 top
D222 "WS2812" WS2812_3528 5863.89,1450.04 r90 top
D223 "WS2812" WS2812_3528 6060.74,1450.04 r90 top
D224 "WS2812" WS2812_3528 6253.66,1450.04 r90 top
D225 "WS2812" WS2812_3528 6253.66,1646.89 r90 top
D226 "WS2812" WS2812_3528 6060.74,1646.89 r90 top
D227 "WS2812" WS2812_3528 5863.89,1646.89 r90 top
D228 "WS2812" WS2812_3528 5667.05,1646.89 r90 top
D229 "WS2812" WS2812_3528 5470.2,1646.89 r90 top
D230 "WS2812" WS2812_3528 5273.35,1646.89 r90 top
D231 "WS2812" WS2812_3528 5076.49,1646.89 r90 top
D232 "WS2812" WS2812_3528 4879.64,1646.89 r90 top
D233 "WS2812" WS2812_3528 4682.79,1646.89 r90 top
D234 "WS2812" WS2812_3528 4485.94,1646.89 r90 top
D235 "WS2812" WS2812_3528 4289.09,1646.89 r90 top
D236 "WS2812" WS2812_3528 4092.24,1646.89 r90 top
D237 "WS2812" WS2812_3528 3895.39,1646.89 r90 top
D238 "WS2812" WS2812_3528 3698.54,1646.89 r90 top
D239 "WS2812" WS2812_3528 3501.69,1646.89 r90 top
D240 "WS2812" WS2812_3528 3304.84,1646.89 r90 top
D241 "WS2812" WS2812_3528 3107.99,1646.89 r90 top
D242 "WS2812" WS2812_3528 2911.14,1646.89 r90 top
D243 "WS2812" WS2812_3528 2714.29,1646.89 r90 top
D244 "WS2812" WS2812_3528 2517.44,1646.89 r90 top
D245 "WS2812" WS2812_3528 2320.59,1646.89 r90 top
D246 "WS2812" WS2812_3528 2123.74,1646.89 r90 top
D247 "WS2812" WS2812_3528 1926.89,1646.89 r90 top
D248 "WS2812" WS2812_3528 1730.04,1646.89 r90 top
D249 "WS2812" WS2812_3528 1533.19,1646.89 r90 top
D250 "WS2812" WS2812_3528 1336.34,1646.89 r90 top
D251 "WS2812" WS2812_3528 1139.49,1646.89 r90 top
D252 "WS2812" WS2812_3528 942.64,1646.89 r90 top
D253 "WS2812" WS2812_3528 745.79,1646.89 r90 top
D254 "WS2812" WS2812_3528 548.94,1646.89 r90 top
D255 "WS2812" WS2812_3528 352.09,1646.89 r90 top
D256 "WS2812" WS2812_3528 155.24,1646.89 r90 top
H1 "Header1x3" HDR1X3_2.54_NO_HOLE 125.98,1561.42 r90 bottom
H2 "Header1x3" HDR1X3_2.54_NO_HOLE 125.98,503.15 r270 bottom
H3 "Header1x2" BATIN 125.98,1086.61 r270 bottom
R1 "75R" R0603 289.47,1759.84 r180 bottom

## Footprints (in the part's own frame and the unit in brackets; to place one, negate y for a bottom-side part, rotate by r counter-clockwise, add the part's x,y. Pads: shape width x height; smd on the part's side, far side on the other; paste and mask are expansions set on the pad)
BATIN [mm]
  oval 1.5x3 smd: 1(0,0) 2(2.5,0)
  silkscreen extent -1.6,0.9 -1.4,1.1
C0603 [mil]
  rect 38x35 smd: 1(0,0) 2(69,0)
  silkscreen extent -31,-30 101,30, body extent 4,-16 67,16, height 12
HDR1X3_2.54_NO_HOLE [mm] "Connector; Header; 3 Position"
  oval 1.5x2 smd: 1(0,0) 2(2.54,0) 3(5.08,0)
  silkscreen extent -1.27,-1.27 6.35,1.27
R0603 [mil] "1/10W"
  rect 38x35 smd: 1(0,0) 2(69,0)
  silkscreen extent -30,-31 99,30, body extent 4,-16 66,16, height 18
WS2812_3528 [mm]
  rect 0.9x0.7 smd: 1(0.569,-0.657) 2(0.569,-2.257) 3(3.269,-2.257) 4(3.269,-0.657)
  silkscreen extent 0.14,-2.83 3.7,-0.09, body extent 0.17,-2.83 3.67,-0.08, height 1.95

## Part data
C1 C2 C3 C4 C5 C6 C7 C8 C9 C10 C11 C12 C13 C14 C15 C16 C17 C18 C19 C20 C21 C22 C23 C24 C25 C26 C27 C28 C29 C30 C31 C32 C33 C34 C35 C36 C37 C38 C39 C40 C41 C42 C43 C44 C45 C46 C47 C48 C49 C50 C51 C52 C53 C54 C55 C56 C57 C58 C59 C60 C61 C62 C63 C64 C65 C66 C67 C68 C69 C70 C71 C72 C73 C74 C75 C76 C77 C78 C79 C80 C81 C82 C83 C84 C85 C86 C87 C88 C89 C90 C91 C92 C93 C94 C95 C96 C97 C98 C99 C100 C101 C102 C103 C104 C105 C106 C107 C108 C109 C110 C111 C112 C113 C114 C115 C116 C117 C118 C119 C120 C121 C122 C123 C124 C125 C126 C127 C128 C129 C130 C131 C132 C133 C134 C135 C136 C137 C138 C139 C140 C141 C142 C143 C144 C145 C146 C147 C148 C149 C150 C151 C152 C153 C154 C155 C156 C157 C158 C159 C160 C161 C162 C163 C164 C165 C166 C167 C168 C169 C170 C171 C172 C173 C174 C175 C176 C177 C178 C179 C180 C181 C182 C183 C184 C185 C186 C187 C188 C189 C190 C191 C192 C193 C194 C195 C196 C197 C198 C199 C200 C201 C202 C203 C204 C205 C206 C207 C208 C209 C210 C211 C212 C213 C214 C215 C216 C217 C218 C219 C220 C221 C222 C223 C224 C225 C226 C227 C228 C229 C230 C231 C232 C233 C234 C235 C236 C237 C238 C239 C240 C241 C242 C243 C244 C245 C246 C247 C248 C249 C250 C251 C252 C253 C254 C255 C256: library part CAP, "Cap"
R1: library part RES

## Via types
v1: diameter 25, hole 12, Top Layer to Bottom Layer, tented both sides, 523 vias

## Nets (pads, with @x,y where several pads share a name; then routed paths per layer and width w, separated by ;. In a path a pad name is that pad's centre, name@x,y a point inside that pad or via, vN(x,y) a via of type N, cw(c..) or ccw(c..) an arc to the next point about the centre after c; other vN are vias at no path point)
DIN: H1.3 R1.2 | length 95.1
  Bottom Layer w10: H1.3@125.98,1761.42 218.9,1761.42 R1.2@220.47,1759.84
DIN1: D224.4 D225.2 | length 132.8
  Top Layer w10: D224.4@6279.53,1578.74 6284.69,1583.9 6284.69,1611.46 6295.28,1622.05 6322.83,1622.05 6337.36,1636.58 6337.36,1664.13 D225.2@6342.52,1669.29
DIN2: D192.4 D193.2 | length 138.1
  Top Layer w10: D192.4@181.1,1381.89 181.1,1413.39 188.98,1421.26 225.63,1421.26 244.09,1439.72 D193.2@244.09,1472.44
DIN3: D160.4 D161.2 | length 135.8
  Top Layer w10: D160.4@6279.53,1185.04 6284.69,1190.2 6284.69,1217.76 6295.28,1228.35 6327.99,1228.35 6342.52,1242.87 D161.2@6342.52,1275.59
DIN4: D128.4 D129.2 | length 135.8
  Top Layer w10: D128.4@181.1,988.19 186.26,993.35 186.26,1020.91 196.85,1031.5 229.57,1031.5 244.09,1046.02 D129.2@244.09,1078.74
DIN5: D96.4 D97.2 | length 135.1
  Top Layer w10: D96.4@6279.53,791.34 6279.53,814.96 6295.28,830.71 6326.77,830.71 6342.52,846.46 D97.2@6342.52,881.89
DIN6: D64.4 D65.2 | length 137.4
  Top Layer w10: D64.4@181.1,594.49 182.32,595.71 182.32,627.21 192.91,637.8 228.35,637.8 242.87,652.32 242.87,683.82 D65.2@244.09,685.04
DIN7: D32.4 D33.2 | length 132.8
  Top Layer w10: D32.4@6279.53,397.64 6284.69,402.8 6284.69,430.35 6291.34,437.01 6318.9,437.01 6337.36,455.47 6337.36,483.03 D33.2@6342.52,488.19
DOUT: D1.2 H2.3 | length 233.8
  Top Layer w10: D1.2@244.09,291.34 v1(291.34,291.34)
  Bottom Layer w10: H2.3@125.98,303.15 135.83,303.15 167.32,271.65 271.65,271.65 v1(291.34,291.34)